# Altium PCB LH_Traffic_Light(XP)_V2.2_20171103-1500pm.PcbDoc (part 2 of 3)
Units mm, origin at the board's own origin, x right, y up, seen from the top; angles counter-clockwise.
Board outline 163.3 x 131.3 mm, 2 copper layers (Top Layer, Bottom Layer); 208 components, 201 nets, 813 pads, 826 vias.
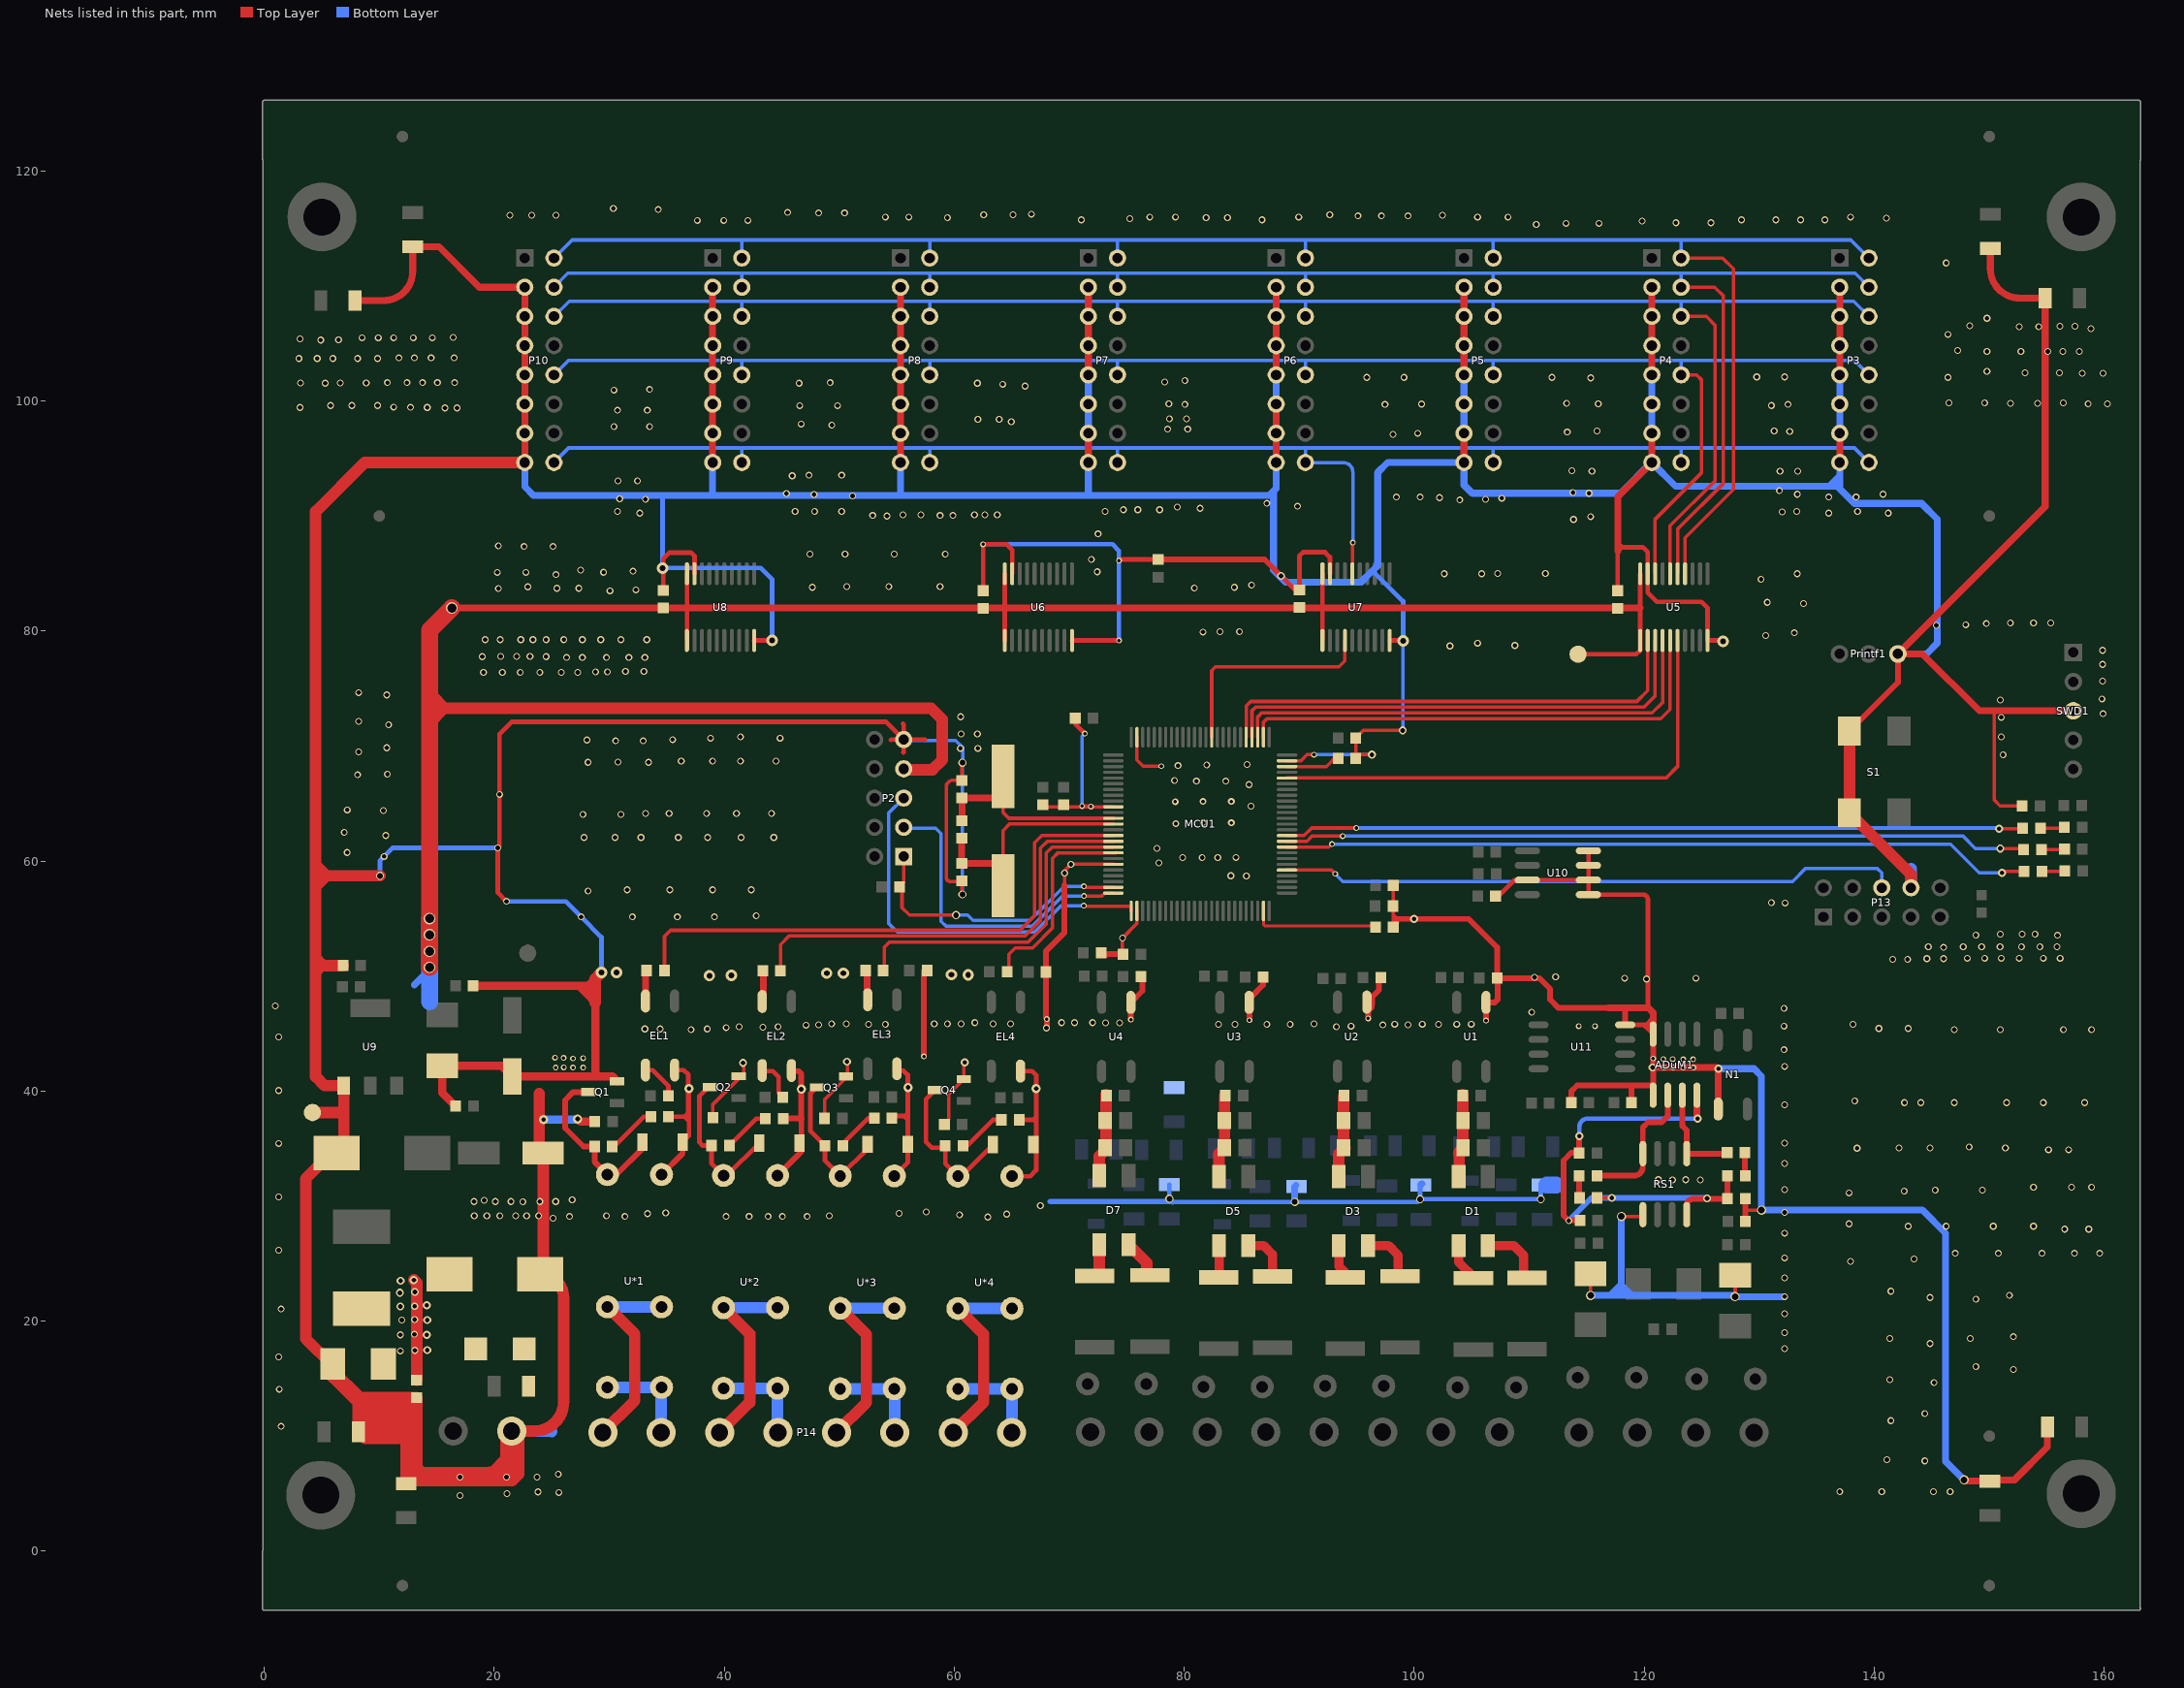
[diagram p2: the nets of this part, all layers, seen from the top]

## Via types
v1: diameter 0.6, hole 0.4, Top Layer to Bottom Layer, 590 vias
v2: diameter 0.5, hole 0.3, Top Layer to Bottom Layer, 84 vias
v3: diameter 0.7, hole 0.4, Top Layer to Bottom Layer, 42 vias
v4: diameter 0.8, hole 0.6, Top Layer to Bottom Layer, 39 vias
v5: diameter 0.8, hole 0.4, Top Layer to Bottom Layer, 24 vias
v6: diameter 0.6, hole 0.3, Top Layer to Bottom Layer, 22 vias
v7: diameter 1, hole 0.5, Top Layer to Bottom Layer, 12 vias
v8: diameter 0.7, hole 0.5, Top Layer to Bottom Layer, 8 vias
v9: diameter 1, hole 0.8, Top Layer to Bottom Layer, 5 vias

## Nets (pads, with @x,y where several pads share a name; then routed paths per layer and width w, separated by ;. In a path a pad name is that pad's centre, name@x,y a point inside that pad or via, vN(x,y) a via of type N, cw(c..) or ccw(c..) an arc to the next point about the centre after c; other vN are vias at no path point) (continued)
GND: ADuM1.4 ADuM1.5 BR1.1 C4.2 C5.2 C11.2 C15.2 C17.1 C18.1 C19.1 C20.1 C21.2 C22.1 C23.2 C24.2 C25.2 C26.1 C27.2 C28.1 C29.1 C30.2 C31.1 C32.2 C33.2 C34.1 C35.2 C36.2 C37.2 C38.2 C39.2 C40.2 C41.2 C42.2 C43.2 C44.2 C45.2 D10.1 D11.1 EC1.2 EC2.2 EC3.2 EC4.2 ER1.2 ER2.2 ER3.2 ER4.2 LED1.K MCU1.10 MCU1.20 MCU1.27 MCU1.74 MCU1.99 N1.3 P2.9 P3.3 P3.5 P3.7 P3.9 P3.11 P3.13 P3.15 P4.3 P4.5 P4.7 P4.9 P4.11 P4.13 P4.15 P5.3 P5.5 P5.7 P5.9 P5.11 P5.13 P5.15 P6.3 P6.5 P6.7 P6.9 P6.11 P6.13 P6.15 P7.3 P7.5 P7.7 P7.9 P7.11 P7.13 P7.15 P8.3 P8.5 P8.7 P8.9 P8.11 P8.13 P8.15 P9.3 P9.5 P9.7 P9.9 P9.11 P9.13 P9.15 P10.3 P10.5 P10.7 P10.9 P10.11 P10.13 P10.15 P11.2 P13.8 Printf1.1 Q1.2 Q2.2 Q3.2 Q4.2 R5.1 R14.1 R21.1 R28.1 R35.1 R41.1 R51.2 R55.2 R59.2 R63.2 RS1.5 S1.2 S1.3 SWD1.3 T-GND1.1 TVS1.2 TVS3.1 U1.3 U2.3 U3.3 U4.3 U5.10 U5.19 U6.10 U6.19 U7.10 U7.19 U8.10 U8.19 U9.1 U10.1 U10.2 U10.3 U10.4 U10.7 U11.4 | length 1310.4
  Top Layer w0.3: R55.2@39.006,37.678 39.006,38.848 41.244,41.087 Q2.2@41.244,41.295 ; Q2.2@41.676,41.117 v3@41.676,42.397 ; R59.2@48.724,37.337 48.724,39.275 50.718,41.269 v3@50.718,42.498 ; R63.2@59.036,37.068 59.501,37.533 59.501,39.714 Q4.2@60.828,41.041 v3@60.828,42.433 ; v8@60.67,68.52 C33.2@60.67,67.023 59.873,67.023 ccw(c59.873,66.45) 59.3,66.45 59.3,58.57 ccw(c59.65,58.57) 59.65,58.22 60.621,58.22 ccw(c60.621,58.269) C32.2@60.67,58.269 60.67,57.128 v8(60.7,57.098) ; C38.2@67.655,64.72 v2@71.871,64.72 ; 69.585,57.896 69.585,59.166 v1(70.139,59.72) MCU1.20@73.83,59.72 ; v2(71.109,64.779) 71.812,64.779 v2@71.871,64.72 ; MCU1.10@73.83,64.72 v2@71.871,64.72 ; BR1.1@74.624,51.902 v1(74.624,53.31) 75.88,54.566 MCU1.27@75.88,55.67 ; MCU1.99@75.88,70.77 75.88,68.799 76.43,68.25 v2(78,68.25) ; v6@84.017,63.255 v6(84.089,63.327) ; MCU1.74@88.93,68.72 90.137,68.72 90.667,69.25 v2(91.277,69.25) ; v3(96.31,69.25) 94.917,69.25 C35.2@94.917,70.698 95.577,71.358 v3(98.996,71.358) ; 98.168,55.35 98.168,55.34 ; C36.2@98.168,57.896 98.168,55.34 ; 98.321,54.975 98.533,54.975 ; v4(115.331,22.234) TVS3.1@115.331,24.114 ; v4(118,29.1) 119.719,29.1 RS1.5@119.877,29.258 ; v4(127.904,22.133) TVS1.2@127.904,23.987 ; 128.775,29.65 v4(130.192,29.65) ; 150.613,73.063 150.45,72.9 150.45,65.3 150.942,64.808 C31.1@152.857,64.808 ; C44.2@98.168,54.256 98.533,54.621 98.533,54.975 ; C44.2@98.168,54.256 98.168,54.61 98.533,54.975 ; C44.2@98.168,54.256 98.168,55.34 ; 98.168,55.34 98.533,54.975
  Top Layer w0.4: v1(21.05,56.5) 20.3,57.25 v1(20.3,61.15) 20.45,61.3 v1(20.45,65.8) 20.45,71.05 21.5,72.1 54.06,72.1 P2.9@55.6,70.56 ; C19.1@34.686,83.533 34.686,86.293 35.219,86.827 37.099,86.827 37.4,86.525 U8.19@37.4,84.983 ; U8.10@42.6,79.183 v7@44.158,79.183 ; 54.48,70.52 54.52,70.56 P2.9@55.6,70.56 ; 55.526,71.95 55.6,71.876 P2.9@55.6,70.56 ; 55.58,69.459 55.6,69.48 P2.9@55.6,70.56 ; 57.45,70.55 57.44,70.56 P2.9@55.6,70.56 ; C17.1@62.499,83.507 v2(62.499,87.55) 64.55,87.55 65.031,87.069 U6.19@65.031,84.983 ; U6.10@70.231,79.183 v2(74.317,79.183) ; C37.2@70.517,72.415 70.517,71.923 v2(71.352,71.088) ; v2(74.317,86.133) 74.409,86.225 R41.1@77.713,86.225 ; v6@79.186,65.186 v6(79.212,65.16) ; v3(88.407,84.795) 89.618,83.583 C20.1@90.007,83.583 90.007,86.522 90.337,86.852 92.242,86.852 92.663,86.431 U7.19@92.663,84.983 ; C5.2@96.924,49.743 C5.2@96.949,49.717 ; U7.10@97.863,79.183 v7@98.996,79.183 ; C30.2@107.062,56.962 107.334,56.962 108.723,58.351 U10.7@109.836,58.351 U10.2@115.144,58.351 ; U10.4@115.144,60.891 U10.3@115.144,59.621 U10.2@115.144,58.351 ; C18.1@117.693,83.507 117.693,86.928 118.048,87.284 ; 117.693,87.648 117.693,87.639 118.048,87.284 ; U11.4@118.337,45.755 119.966,45.755 ; 120.363,47.225 120.309,47.279 120.309,56.672 ccw(c119.9,56.672) 119.9,57.081 U10.1@115.144,57.081 U10.2@115.144,58.351 ; 120.411,45.882 120.411,45.31 ; ADuM1.5@120.766,39.646 ADuM1.5@120.766,40.726 ; ADuM1.4@120.766,44.954 120.411,45.31 ; 120.766,46.364 120.157,45.755 119.966,45.755 ; v7(126.837,79.105) 126.759,79.183 U5.10@125.495,79.183 125.495,82.022 124.983,82.534 121.096,82.534 120.295,83.336 U5.19@120.295,84.983 120.295,86.866 119.877,87.284 118.048,87.284 ; 119.966,45.755 120.411,45.31
  Top Layer w0.5: v2(57.35,43.012) C39.2@57.35,50.428 ; v2@67.952,46.347 67.952,52.148 69.585,53.781 69.585,57.896 ; v1(68.01,45.491) 68.036,45.517 v2(68.036,46.263) ; C43.2@72.836,51.876 73.302,51.876 73.327,51.902 BR1.1@74.538,51.902 ; BR1.1@74.538,51.69 BR1.1@74.538,51.902 ; BR1.1@74.683,51.902 BR1.1@74.538,51.902 ; v2(75.351,46.212) U4.3@75.351,47.713 ; U4.3@75.351,47.27 U4.3@75.351,47.713 ; 75.799,48.162 U4.3@75.351,47.713 ; C15.2@76.35,49.692 76.35,48.712 U4.3@75.351,47.713 ; R41.1@77.713,86.225 86.976,86.225 v3(88.407,84.795) ; U3.3@85.638,47.313 U3.3@85.638,47.713 85.663,47.688 v2(85.663,46.161) ; U3.3@85.905,48.282 86.84,49.217 C11.2@86.84,49.717 ; U2.3@95.874,47.739 96.33,48.195 ; v2(95.993,46.314) 95.993,46.968 96.305,47.28 96.305,47.557 96.33,47.582 96.33,48.195 ; C5.2@96.924,49.743 96.924,48.788 96.33,48.195 ; 98.533,54.975 v3(99.989,54.975) 104.725,54.975 107.195,52.505 C4.2@107.195,49.824 110.876,49.824 111.8,48.9 111.8,47.964 112.539,47.225 116.883,47.225 ; v2(106.237,46.136) U1.3@106.237,47.713 107.002,47.713 107.236,47.947 C4.2@107.236,49.641 ; C34.1@113.646,38.998 113.646,39.981 114.162,40.497 120.538,40.497 120.766,40.726 120.766,42.046 v2(120.766,42.834) ADuM1.4@120.766,44.954 ; U11.4@118.337,45.755 118.337,47.1 ; C29.1@118.895,38.998 118.895,40.48 ; R35.1@128.801,28.686 cw(c128.801,28.711) 128.775,28.711 128.775,29.65 C28.1@128.775,30.642 ; S1.2@137.841,71.306 142.051,75.516 Printf1.1@142.051,78.013 ; C28.1@128.775,30.642 cw(c128.801,30.642) 128.801,30.667 ccw(c128.801,30.642) C28.1@128.775,30.642
  Top Layer w0.6: D10.1@5.933,15.7 D10.1@5.933,16.139 ; EC4.2@7.89,108.737 10.36,108.737 ccw(c10.36,111.277) 12.9,111.277 ER4.2@12.9,113.41 15.19,113.41 18.704,109.896 P10.3@22.646,109.896 P10.5@22.646,107.356 P10.7@22.646,104.816 P10.9@22.646,102.276 P10.11@22.646,99.736 P10.13@22.646,97.196 P10.15@22.646,94.656 ; P9.15@38.982,94.656 P9.3@38.982,109.896 ; P8.15@55.318,94.656 P8.3@55.318,109.896 ; P7.15@71.653,94.656 P7.13@71.653,97.196 ; P7.9@71.653,102.276 P7.3@71.653,109.896 ; P6.15@87.989,94.656 P6.11@87.989,99.736 ; P6.9@87.989,102.276 P6.3@87.989,109.896 ; P5.15@104.325,94.656 P5.13@104.325,97.196 ; P5.9@104.325,102.276 P5.3@104.325,109.896 ; 116.883,47.225 120.363,47.225 120.766,46.821 120.766,46.364 ADuM1.4@120.766,44.954 ; 117.693,86.928 117.693,87.639 117.693,91.688 P4.15@120.661,94.656 P4.13@120.661,97.196 ; P4.9@120.661,102.276 P4.3@120.661,109.896 ; v3@120.766,42.046 v2(121.706,42.046) v2(122.519,42.046) v2(123.382,42.046) v2(124.271,42.046) 126.306,42.046 126.43,41.922 N1.3@126.43,38.437 ; P3.15@136.997,94.656 P3.13@136.997,97.196 ; P3.9@136.997,102.276 P3.3@136.997,109.896 ; v4(147.8,6.2) 147.91,6.09 ER2.2@150.05,6.09 ; ER2.2@150.05,6.2 152.2,6.2 155.06,9.06 EC2.2@155.06,10.8 ; ER3.2@150.1,113.26 150.1,111.49 ccw(c152.64,111.49) 152.64,108.95 EC3.2@154.86,108.95 154.86,90.821 Printf1.1@142.051,78.013 144.187,78.013 149.137,73.063 SWD1.3@157.31,73.063
  Top Layer w0.7: C21.2@6.288,34.63 C21.2@6.909,35.251 ; C22.1@16.644,38.694 15.469,39.868 D11.1@15.469,42.199 20.631,42.199 C25.2@21.554,41.276 28.778,41.276 ; C26.1@18.158,49.158 27.334,49.158 ; v5(27.243,37.576) 27.472,37.347 R51.2@28.734,37.347 ; 28.778,49.778 28.158,49.158 ; Q1.2@30.678,40.863 30.265,41.276 28.778,41.276 ; 27.334,49.158 28.037,48.455 ; 27.334,49.158 28.158,49.158 ; 28.037,48.455 28.083,48.455 28.778,49.15 28.769,49.158 28.158,49.158 ; 28.037,48.455 28.778,47.714 28.778,41.276
  Top Layer w1: T-GND1.1@4.18,38.137 6.805,38.137 6.909,38.033 ; D10.1@5.933,16.291 5.933,16.139 3.596,18.475 3.596,32.362 5.864,34.63 C21.2@6.288,34.63 ; LED1.K@6.839,50.911 4.993,50.911 ; C21.2@6.909,35.251 6.909,38.033 ; 8.49,13.143 8.368,13.265 ; v8(10.05,58.72) 5.386,58.72 ; 12.293,11.48 8.167,11.48 ; 12.809,10.389 12.324,10.389 ; P10.15@22.646,94.656 8.728,94.656 4.46,90.388 4.46,59.572 ; 23.9,39.8 23.9,34.95 ccw(c24.246,34.95) C23.2@24.246,34.604 24.246,24.317 cw(c23.992,24.317) C24.2@23.992,24.063 cw(c23.992,22.031) 26.024,22.031 26.024,12.989 cw(c23.484,12.989) 23.484,10.449 P11.2@22.1,10.449 ; 28.778,47.714 28.778,49.15 28.778,49.778 v7(29.314,50.314) ; S1.3@137.841,63.909 S1.3@137.841,64.194 ; S1.2@137.841,71.306 S1.3@137.841,64.194 ; P13.8@143.194,57.683 143.194,58.841 S1.3@137.841,64.194 ; 4.46,50.378 4.993,50.911 ; 4.46,50.378 4.46,41.259 5.244,40.475 U9.1@6.909,40.475 6.909,38.033 ; 4.46,50.378 4.46,51.55 ; 4.46,51.55 4.993,51.017 4.993,50.911 ; 4.46,51.55 4.46,57.794 ; 4.46,57.794 5.386,58.72 ; 4.46,57.794 4.46,59.572 ; 4.46,59.572 4.533,59.572 5.386,58.72 ; ER1.2@8.167,10.389 8.167,11.48 ; ER1.2@8.167,10.389 8.479,10.7 12.324,10.7 ; ER1.2@8.167,10.389 12.324,10.389 ; ER1.2@8.167,10.389 8.756,9.8 12.324,9.8 ; 8.167,11.48 8.167,12 ; 8.167,12 11.912,12 12.324,12.413 ; 8.167,12 8.167,12.896 ; 8.167,12.896 cw(c8.608,12.896) 8.368,13.265 ; 8.167,12.896 8.304,12.759 12.324,12.759 ; 8.167,12.896 5.933,15.131 5.933,15.7 8.368,13.265 ; 8.368,13.265 cw(c8.608,12.896) 8.608,13.336 12.6,13.336 ; EC1.2@12.324,5.884 cw(c12.59,5.884) EC1.2@12.59,6.15 ; EC1.2@12.324,5.884 EC1.2@12.59,6.15 ; EC1.2@12.324,5.884 12.324,9.8 ; 12.324,9.8 13.248,9.8 ; 12.324,9.8 12.324,10.389 ; 12.324,10.389 12.324,10.7 ; 12.324,10.7 13.248,10.7 ; 12.324,10.7 12.324,12.413 ; 12.324,12.413 12.324,12.759 ; 12.324,12.413 12.671,12.759 ; 12.324,12.759 12.671,12.759 ; 12.324,12.759 12.324,13.061 12.6,13.336 ; EC1.2@12.59,6.15 13.248,6.808 ; EC1.2@12.59,6.15 14.398,6.15 ; 12.6,13.336 C27.2@13.248,13.336 ; 12.671,12.759 C27.2@13.248,13.336 ; 13.248,6.808 13.248,7.3 ; 13.248,6.808 13.74,6.808 ; 13.248,7.3 13.74,6.808 ; 13.248,7.3 13.248,9.8 ; 13.248,9.8 13.248,10.7 ; 13.248,10.7 C27.2@13.248,13.336 ; 13.74,6.808 19.558,6.808 ; 13.74,6.808 14.398,6.15 ; 14.398,6.15 18.9,6.15 ; 18.9,6.15 19.558,6.808 ; 18.9,6.15 20.45,6.15 ; 19.558,6.808 19.792,6.808 20.45,6.15 ; 19.558,6.808 19.6,6.85 19.853,6.85 21,7.997 ; 20.45,6.15 21.56,6.15 22.1,6.69 22.1,8.8 ; 20.45,6.15 21.503,7.203 21.503,8.203 ; 21,7.997 21.503,8.5 ; 21,7.997 21,7.7 21.503,8.203 ; 21,7.997 21,9.946 P11.2@21.503,10.449 ; 21.503,8.203 22.1,8.8 ; 21.503,8.203 21.503,8.5 ; 21.503,8.5 P11.2@21.503,10.449 ; P11.2@21.503,10.449 P11.2@22.1,10.449 ; 22.1,8.8 P11.2@22.1,10.449
  Bottom Layer w0.3: 54.52,70.56 P2.9@55.6,70.56 ; 55.526,71.95 55.6,71.876 P2.9@55.6,70.56 ; 55.58,69.459 55.6,69.48 P2.9@55.6,70.485 ; v8@60.565,68.685 60.754,68.874 60.754,69.846 60.115,70.485 P2.9@55.6,70.485 ; v8(60.7,57.098) v8(60.7,68.55) ; v2(71.352,71.088) 71.109,70.845 v2(71.109,64.779) 71.144,64.745 v2(71.871,64.745) ; v2(91.277,69.25) v3(96.31,69.25) ; v3(98.996,71.358) 99.024,71.385 v7(99.024,79.156) ; R5.1@111.114,31.827 R5.1@111.525,31.827 ; v4(115.331,22.234) v4@115.432,22.133 ; P2.9@55.6,70.485 P2.9@55.6,70.56
  Bottom Layer w0.4: v8(10.05,58.72) 10.05,60.041 v1(10.409,60.4) 11.159,61.15 v1(20.3,61.15) ; v1(21.05,56.5) 26.2,56.5 v1(27.55,55.15) 29.314,53.386 v7(29.314,50.314) ; 34.625,91.662 v7(34.625,85.48) 43.169,85.48 44.16,84.49 v7(44.16,79.181) ; v2(62.499,87.55) 73.75,87.55 74.317,86.983 v2(74.317,86.133) v2(74.317,79.183) ; R28.1@78.704,31.878 78.704,30.646 78.949,30.4 78.987,30.362 v8(89.6,30.362) 100.262,30.362 v8(100.5,30.6) ; 96.376,85.245 99.024,82.597 v7(99.024,79.156) ; v3@99.862,54.848 v3(99.989,54.975) ; R14.1@100.5,31.754 v8(100.5,30.6) ; R5.1@111,31.713 v8(111,30.6) v8(100.5,30.6)
  Bottom Layer w0.5: 68.333,30.4 78.949,30.4 cw(c78.949,30.362) 78.987,30.362
  Bottom Layer w0.6: P10.15@22.646,94.656 22.646,92.542 23.383,91.805 39.029,91.805 ; P9.15@38.982,94.656 38.982,91.852 39.029,91.805 ; 55.318,91.812 P8.15@55.318,94.656 ; 71.653,91.947 P7.15@71.653,94.656 ; P7.13@71.653,97.196 P7.9@71.653,102.276 ; P6.15@87.989,94.656 87.989,92.404 87.759,92.173 ; P6.11@87.989,99.736 P6.9@87.989,102.276 ; v8(89.6,30.362) 89.6,31.675 R21.1@89.727,31.802 ; R14.1@100.573,31.878 R14.1@100.649,31.954 ; P5.13@104.325,97.196 P5.9@104.325,102.276 ; v4(115.331,22.234) 117.034,22.234 ; 118,22.334 118,22.717 ; v4(118,29.1) 118,23.2 ; 118.567,22.567 118.417,22.717 ; P4.13@120.661,97.196 P4.9@120.661,102.276 ; v3(126.453,41.945) 129.555,41.945 130.192,41.308 v4(130.192,29.65) 144.189,29.65 146.2,27.639 146.2,7.8 v4(147.8,6.2) ; v4@127.802,22.234 118.9,22.234 ; v4(127.904,22.133) v1(132.2,22.133) ; P3.15@136.997,94.656 136.997,93.507 ; P3.13@136.997,97.196 P3.9@136.997,102.276 ; Printf1.1@142.051,78.013 144.541,78.013 145.48,78.953 145.48,89.73 144.117,91.094 138.267,91.094 136.997,92.364 ; 39.029,91.805 87.391,91.805 87.759,92.173 ; 87.759,92.173 87.759,85.315 88.813,84.261 95.392,84.261 96.376,85.245 96.814,85.684 96.814,93.786 97.684,94.656 P5.15@104.325,94.656 104.325,92.701 105.044,91.983 117.947,91.983 120.641,94.677 122.725,92.592 136.082,92.592 ; 117.034,22.234 118.9,22.234 ; 117.034,22.234 117.517,22.717 ; 117.517,22.717 118,22.717 ; 117.517,22.717 118,23.2 ; 118,22.717 118.417,22.717 ; 118,22.717 118,23.134 ; 118,23.134 118,23.2 ; 118,23.134 118.417,22.717 ; 118.417,22.717 118.9,22.234 ; 136.082,92.592 136.768,92.592 136.997,92.364 ; 136.082,92.592 136.997,93.507 ; 136.997,92.364 136.997,93.507
  Bottom Layer w0.7: v5(24.274,37.525) v5@27.193,37.525
  Bottom Layer w1: 21.4,8.1 21.503,8.203 P11.2@21.503,10.449 24.951,10.449 25,10.4 ; P13.8@143.194,57.683 143.194,59.35
  Bottom Layer w1.5: R5.1@111.525,31.827 112.323,31.827
  other v1: 17.009,4.829 21.1,5 25.6,5.1 23.8,5.15 136.997,5.183 140.654,5.183 145.15,5.183 146.6,5.183 17.009,6.429 21.05,6.429 23.7,6.429 25.55,6.69 144.4,7.85 141.1,7.95 1.45,10.85 141.45,11.35 144.4,11.95 1.3,14.081 145.2,14.65 141.35,14.9 152.1,15.8 148.84,16.05 1.25,16.9 132.2,17.61 144.85,18.05 141.35,18.5 148.35,18.5 152.1,18.65 132.2,19 132.2,20.65 1.45,21.05 148.84,21.9 144.85,22.05 151.75,22.25 141.45,22.6 132.2,23.76 137.941,25.2 143.45,25.4 132.2,25.5 147.05,25.9 150.8,25.9 154.578,25.9 157.4,25.9 159.6,25.9 1.25,26.171 132.2,27.65 156.55,28 158.65,28 142.95,28.25 146.25,28.25 150.35,28.25 153.85,28.25 137.8,28.46 25.1,28.95 62.9,29.05 26.524,29.1 31.35,29.1 40.15,29.1 42.15,29.1 43.8,29.1 45.05,29.1 47.2,29.1 18.25,29.15 19.35,29.15 20.478,29.15 21.85,29.15 22.8,29.15 23.85,29.15 29.75,29.15 49.119,29.15 60.45,29.25 64.55,29.3 33.317,29.35 55.187,29.368 34.899,29.4 132.2,29.45 57.55,29.5 67.485,30.05 18.222,30.4 20.088,30.4 21.45,30.4 22.478,30.383 23.95,30.4 25.335,30.4 19.123,30.5 26.771,30.55 1.25,30.8 137.8,31.15 142.6,31.3 145.3,31.4 149.4,31.4 132.2,31.432 153.85,31.65 157.15,31.65 158.9,31.65 122.45,32.272 124.866,32.272 121.228,32.3 123.6,32.3 132.2,33.7 155.15,34.9 156.9,34.9 138.5,35.036 142.15,35.05 144.85,35.05 151.4,35.05 148.25,35.15 1.25,35.45 132.2,35.472 132.2,38.8 142.625,39 144.05,39 146.95,39 151.513,39 154.7,39 158.3,39 138.3,39.141 1.25,40.05 132.2,42.15 132.15,43.6 1.25,44.7 37.1,45.35 146.95,45.35 150.95,45.35 156.45,45.35 158.9,45.35 33.085,45.4 34.425,45.4 38.516,45.4 140.4,45.45 142.95,45.45 40.159,45.526 43.35,45.55 41.292,45.6 44.669,45.6 93.226,45.6 94.496,45.65 132.15,45.65 47.1,45.732 48.2,45.755 97.256,45.75 99.45,45.755 52.55,45.8 54,45.8 82.978,45.8 84.4,45.8 87.173,45.8 89.2,45.8 102.1,45.8 138.15,45.8 98.296,45.82 100.7,45.82 103.686,45.82 104.957,45.82 49.324,45.85 50.6,45.85 58.25,45.85 59.4,45.85 60.6,45.85 63.365,45.85 64.9,45.85 91.266,45.85 73.15,45.933 74.38,45.933 61.784,45.95 69.332,45.95 70.45,45.95 72.029,45.95 110.217,46.85 132.15,47.2 0.95,47.4 120.2,49.75 118.3,49.824 124.5,49.824 110.448,49.9 112.287,49.932 141.6,51.45 142.894,51.45 144.574,51.513 146.035,51.513 148.091,51.55 149.6,51.55 151.054,51.55 152.6,51.55 154.7,51.55 156.17,51.55 146.035,52.494 144.699,52.55 147.737,52.55 149.334,52.55 150.942,52.55 152.8,52.55 154.4,52.55 155.9,52.55 148.84,53.564 155.938,53.55 150.95,53.65 152.85,53.65 153.979,53.65 32,55.15 35.91,55.15 39.137,55.15 42.777,55.25 132.25,56.358 131.05,56.375 28.15,57.4 31.55,57.5 35.25,57.5 38.982,57.5 42.35,57.5 85.399,58.699 84.05,58.723 69.585,58.95 77.78,59.834 79.85,60.3 81.551,60.3 82.914,60.3 84.5,60.317 7.2,60.75 77.611,61.1 27.8,62.05 30.5,62.05 32.75,62.05 36,62.05 38.55,62.05 41.45,62.05 44.3,62.05 10.55,62.22 6.95,62.5 27.7,64.05 31,64.05 33.15,64.15 35.2,64.15 38.45,64.15 41.05,64.15 44.1,64.15 10.35,64.4 7.209,64.45 85.8,64.779 85.638,66.65 81.05,66.95 83.6,66.95 79.15,67 8.1,67.5 10.7,67.55 79.45,68.3 81.95,68.35 85.45,68.4 28.15,68.589 30.75,68.6 33.4,68.589 36.25,68.7 38.982,68.7 41.4,68.7 44.5,68.7 151.2,69.25 8.2,69.5 60.528,69.8 62.05,69.8 10.65,69.85 30.55,70.45 32.95,70.45 28.05,70.523 35.5,70.56 38.8,70.687 44.85,70.687 41.4,70.8 151.05,70.8 60.6,71.046 62,71.061 10.8,71.85 8.2,72.15 151.05,72.5 60.55,72.55 159.9,72.81 150.952,74 159.8,74.1 10.65,74.45 8.2,74.65 159.85,75.65 19.05,76.4 20.7,76.4 22.25,76.4 23.95,76.4 25.809,76.4 27.243,76.4 28.8,76.45 29.837,76.45 31.4,76.5 33,76.5 159.85,77.1 26.271,77.699 27.65,77.699 29.75,77.699 31.7,77.699 33.085,77.699 18.95,77.772 24.5,77.772 20.55,77.8 21.936,77.8 23.1,77.8 159.85,78.324 103.1,78.7 108.75,78.75 105.5,78.95 19.2,79.25 20.5,79.25 22.3,79.25 23.35,79.25 24.5,79.25 26.044,79.25 27.65,79.25 29.25,79.25 31,79.25 33.255,79.25 130.55,79.6 133.05,79.85 81.625,79.919 83.1,79.95 84.8,79.95 145.4,80.5 147.957,80.55 149.75,80.65 151.833,80.7 153.85,80.7 155.35,80.7 133.85,82.4 130.7,82.5 30.05,83.5 32.3,83.583 20.35,83.689 25.431,83.721 27.35,83.721 80.88,83.75 47.65,83.8 84.35,83.8 22.908,83.85 50.646,83.872 54.3,83.872 58.758,83.872 85.85,84 130.15,84.5 25.35,84.91 102.6,84.983 105.85,84.983 133.3,84.983 107.25,85 111.4,85 20.25,85.1 22.75,85.1 29.5,85.111 72.422,85.15 32.05,85.2 27.5,85.3 71.916,86.225 47.45,86.7 50.5,86.7 54.78,86.7 59.214,86.7 22.587,87.35 25.098,87.35 20.35,87.4 72.5,88.45 113.85,89.7 115.331,89.95 54.15,90 52.898,90.05 58.758,90.05 59.873,90.05 55.526,90.1 57.1,90.1 61.75,90.1 62.65,90.1 63.729,90.1 32.65,90.25 136.034,90.25 141.208,90.25 132,90.35 30.7,90.4 46.15,90.4 47.85,90.4 50.2,90.4 73.1,90.4 133.25,90.4 138.55,90.4 74.7,90.55 75.95,90.551 77.85,90.551 81.38,90.672 79.4,90.786 89.85,90.85 87.176,91.1 103.95,91.4 33.14,91.45 106.2,91.45 30.9,91.5 107.611,91.55 102.2,91.6 98.45,91.65 100.5,91.65 136.034,91.65 138.416,91.65 51.15,91.75 47.8,91.877 133.314,91.9 140.75,91.9 45.4,91.95 115.2,91.983 113.8,92.05 131.75,92.2 30.75,93.05 32.45,93.05 45.9,93.496 47.35,93.55 50.2,93.55 115.45,93.9 131.8,93.9 133.35,93.9 113.7,93.95 98.15,97.1 100.3,97.2 113.3,97.3 132.65,97.35 115.897,97.4 131.3,97.4 78.55,97.55 80.3,97.55 30.4,97.776 33.5,97.776 49.35,97.9 46.688,98 64.95,98.201 62.05,98.4 63.9,98.4 78.7,98.45 80.2,98.45 30.7,99.196 33.3,99.196 15.7,99.4 16.75,99.4 3.1,99.436 14.162,99.436 12.7,99.45 11.25,99.474 5.75,99.609 7.6,99.609 9.85,99.609 46.55,99.6 49.85,99.6 131.05,99.609 80.05,99.7 97.45,99.7 132.5,99.7 100.642,99.736 78.65,99.75 116,99.75 158.6,99.75 160.272,99.75 113.25,99.8 151.85,99.8 154.2,99.8 146.5,99.85 149.6,99.85 156.44,99.85 30.4,100.95 33.5,101.006 66.15,101.3 64.2,101.456 3.15,101.56 5.3,101.55 6.6,101.56 8.85,101.56 46.5,101.55 62,101.55 10.7,101.6 12.4,101.6 13.75,101.6 15.05,101.6 16.55,101.6 49.2,101.6 78.3,101.65 80.05,101.77 115.35,102.014 95.874,102.05 99.1,102.05 111.978,102.05 146.4,102.05 129.783,102.1 132.2,102.1 158.077,102.403 159.9,102.403 153.1,102.45 156.1,102.45 149.8,102.574 3,103.7 4.6,103.7 5.95,103.7 8.1,103.7 9.85,103.7 11.7,103.75 13.05,103.75 14.5,103.75 16.5,103.75 149.8,104.31 152.75,104.31 155.1,104.31 156.4,104.3 157.84,104.31 147.25,104.386 4.9,105.3 6.45,105.323 3.1,105.396 8.5,105.5 9.908,105.5 11.25,105.5 12.95,105.5 14.6,105.5 16.423,105.532 146.4,105.8 158.85,106.3 152.6,106.45 154.3,106.45 156.15,106.5 157.45,106.5 148.3,106.55 149.8,107.2 146.25,112.005 110.6,115.35 113.2,115.45 116.05,115.45 122.75,115.5 125.8,115.5 119.818,115.65 37.65,115.7 39.95,115.7 42.05,115.7 71.05,115.75 86.75,115.75 128.45,115.75 131.45,115.75 133.6,115.75 135.7,115.75 75.25,115.85 141.05,115.9 59.4,115.95 81.9,115.95 83.75,115.95 54,116 56.034,116 77,116 79.237,116 89.95,116 105.5,116 108.15,116 137.941,116 95.1,116.1 97.15,116.1 99.45,116.1 21.35,116.15 23.25,116.15 25.35,116.15 102.45,116.15 62.55,116.2 65.1,116.2 92.65,116.2 66.7,116.25 48.2,116.35 50.45,116.35 45.5,116.39 34.254,116.646 30.35,116.75
  other v2: 25.335,42.046 26.837,42.046 27.726,42.046 26.044,42.072 123.382,42.758 124.246,42.758 121.655,42.782 122.468,42.782 26.837,42.834 27.726,42.859 26.024,42.885 25.288,42.91 114.3,45.65 115.712,45.65
  other v3: 120.715,42.046 41.62,42.453 60.898,42.504 50.662,42.554
  other v6: 79.263,63.255 81.676,63.332 81.625,65.186 84.089,65.186
  other v7: 38.7,50.038 40.6,50.05 61.2,50.1 59.743,50.124 48.9,50.251 50.353,50.25 30.614,50.314
  other v8: 78.7,30.642
INTERNETRST: MCU1.55 P13.6 | length 54.1
  Top Layer w0.3: MCU1.55@88.93,59.22 92.789,59.22 v2(93.116,58.892)
  Bottom Layer w0.3: v2(93.116,58.892) 93.785,58.224 132.889,58.224 134.037,59.372 140.246,59.372 140.654,58.964 P13.6@140.654,57.683
JZC_VCC: ADuM1.8 C17.2 C18.2 C19.2 C20.2 C24.1 C27.1 C28.2 D9.2 D10.2 D17.2 D19.2 D21.2 D23.2 EL1.4 EL2.4 EL3.4 EL4.4 F1.1 L1.1 P2.7 R31.1 R32.2 R33.1 R37.2 R49.1 R53.1 R57.1 R61.1 RS1.8 T-SPEVCC.1 U5.1 U5.20 U6.1 U6.20 U7.1 U7.20 U8.1 U8.20 U*1.1 U*2.1 U*3.1 U*4.1 | length 347.2
  Top Layer w0.3: R33.1@115.897,30.718 v3(117.185,30.718)
  Top Layer w0.4: R49.1@35.151,37.779 36.54,37.779 ; EL1.4@35.68,41.832 36.468,41.832 36.87,41.43 36.87,38.109 36.54,37.779 ; D17.2@36.375,35.569 36.925,36.119 36.925,37.394 ; U8.1@36.75,79.183 36.75,82.001 U8.20@36.75,84.983 ; v5(36.925,40.218) 36.925,37.394 ; R57.1@54.582,37.83 55.657,37.83 ; U*3.1@54.777,32.623 55.962,33.808 D21.2@55.962,35.366 55.962,37.525 ; EL3.4@54.802,41.79 55.575,41.79 55.945,41.419 55.945,38.059 ; D21.2@55.945,35.459 55.945,37.542 ; U6.1@64.381,79.183 64.381,82.001 U6.20@64.381,84.983 ; U*4.1@65.013,32.598 66.598,32.598 67.121,33.121 67.121,37.752 ; R61.1@65.631,37.5 66.869,37.5 67.121,37.752 ; EL4.4@65.75,41.739 66.769,41.739 67.121,41.386 v5(67.121,40.218) 67.121,37.752 ; U7.1@92.013,79.183 92.013,82.001 U7.20@92.013,84.983 ; T-SPEVCC.1@114.238,77.987 119.293,77.987 119.645,78.339 U5.1@119.645,79.183 U5.20@119.645,84.983 ; 36.54,37.779 36.925,37.394 ; 55.657,37.83 55.717,37.83 ; 55.657,37.83 55.945,37.542 ; 55.717,37.83 55.945,37.83 ; 55.717,37.83 55.945,38.059 ; 55.945,37.542 55.962,37.525 ; 55.945,37.542 55.945,37.83 ; 55.945,37.83 55.962,37.83 55.962,37.525 ; 55.945,37.83 55.945,38.059
  Top Layer w0.5: U*1.1@34.537,32.742 36.375,34.581 D17.2@36.375,35.569 ; U*2.1@44.628,32.666 46.703,34.74 46.703,37.604 46.712,37.614 46.688,37.614 ; R53.1@45.108,37.614 46.688,37.614 ; EL2.4@45.836,41.739 46.462,41.739 46.688,41.513 v5(46.688,40.167) 46.688,37.614 ; 46.688,37.398 46.688,37.614 ; v1(113.434,28.739) v1@113.411,28.762 ; v3@114.332,36.071 R31.1@114.332,34.63 113.647,34.63 112.983,33.966 112.983,29.19 v1@113.411,28.762 ; R37.2@114.408,28.762 v1@113.411,28.762 ; RS1.8@123.687,29.258 123.687,30.029 cw(c124.3,30.029) 124.3,30.642 C28.2@127.235,30.642 R32.2@127.235,32.623
  Top Layer w0.6: v9(16.3,82.001) 36.75,82.001 64.381,82.001 92.013,82.001 119.623,82.001 ; ADuM1.8@124.576,39.646 124.576,37.665 v3(124.627,37.614)
  Top Layer w1: v3(12.994,23.581) 13.248,23.327 C27.1@13.248,14.876 ; 14.3,69.3 14.3,72.85 14.366,72.916 14.75,73.3 15.65,73.3 ; 14.366,72.016 15.65,73.3 ; 14.366,74.3 14.65,74.3 15.65,73.3 ; P2.7@55.6,67.945 58.095,67.945 58.95,68.8 58.95,72.315 57.965,73.3 15.65,73.3
  Top Layer w1.5: v9(14.366,50.763) v9(14.366,52.15) v9(14.366,53.6) v9(14.366,55) 14.366,72.016 14.366,72.916 14.366,74.3 14.366,80.066 v9(16.3,82.001)
  Bottom Layer w0.3: v3@117.159,30.743 cw(c117.159,30.718) v3(117.185,30.718) ccw(c117.159,30.718) v3@117.159,30.743 ; v3@125.414,30.718 cw(c125.414,30.667) v3(125.465,30.667) ccw(c125.414,30.667) v3@125.414,30.718
  Bottom Layer w0.4: v3(114.357,36.096) 114.357,36.887 ; 124.627,40.472 v3(124.627,37.614) 115.085,37.614 ; 114.357,36.887 cw(c115.085,36.887) 115.085,37.614 ; 114.357,36.887 cw(c115.085,36.887) 115.085,37.614
  Bottom Layer w0.5: v1(113.434,28.739) 115.412,30.718 v3(117.185,30.718) v3@125.414,30.718
  Bottom Layer w0.6: 13.045,49.239 14.366,50.56 v9(14.366,50.763)
  Bottom Layer w1.5: 14.366,47.79 v9@14.366,50.56 ; v9(14.366,50.763) v9(14.366,52.15) v9(14.366,53.6) v9(14.366,55)
  other v1: 11.826,17.408 13.096,17.459 11.826,18.805 13.045,18.856 11.953,20.101 13.07,20.126 13.07,21.295
  other v3: 14.156,17.485 14.112,18.805 14.156,20.101 11.826,21.269 14.112,21.371 11.775,22.463 13.096,22.539 11.843,23.504
  other v5: 55.971,40.319
KM1: MCU1.15 R48.2 | length 49.4
  Top Layer w0.3: R48.2@34.795,50.479 34.795,53.446 35.333,53.984 65.724,53.984 66.985,55.245 66.985,61.595 67.61,62.22 MCU1.15@73.83,62.22
KM1+: P14.1 U*1.2 | length 17.7
  Top Layer w1: P14.1@29.428,10.322 32.2,13.094 32.2,18.879 U*1.2@29.837,21.242
  Bottom Layer w1: U*1.2@29.837,21.242 U*1.2@34.537,21.242
KM1-: P14.2 U*1.3 | length 8.6
  Bottom Layer w1: U*1.3@29.837,14.242 U*1.3@34.537,14.242 34.508,14.213 P14.2@34.508,10.322
KM2: MCU1.16 R52.2 | length 38.6
  Top Layer w0.3: R52.2@44.879,50.454 44.879,52.729 45.634,53.484 66.148,53.484 67.485,54.821 67.485,61.112 68.092,61.72 MCU1.16@73.83,61.72
KM2+: P14.3 U*2.2 | length 17.6
  Top Layer w1: P14.3@39.588,10.322 42.2,12.934 42.2,18.894 U*2.2@39.928,21.166
  Bottom Layer w1: U*2.2@39.928,21.166 U*2.2@44.628,21.166
KM2-: P14.4 U*2.3 | length 8.6
  Bottom Layer w1: U*2.3@39.928,14.166 U*2.3@44.628,14.166 44.628,10.361 P14.4@44.668,10.322
KM3: MCU1.17 R56.2 | length 29.2
  Top Layer w0.3: R56.2@53.896,50.479 53.896,52.484 54.355,52.943 66.41,52.943 67.985,54.518 67.985,60.693 68.512,61.22 MCU1.17@73.83,61.22
KM3+: P14.5 U*3.2 | length 17.5
  Top Layer w1: P14.5@49.748,10.322 52.35,12.924 52.35,18.85 U*3.2@50.077,21.123
  Bottom Layer w1: U*3.2@50.077,21.123 U*3.2@54.777,21.123
KM3-: P14.6 U*3.3 | length 8.5
  Bottom Layer w1: U*3.3@50.077,14.123 U*3.3@54.777,14.123 54.828,14.072 P14.6@54.828,10.322
KM4: MCU1.18 R60.2 | length 18
  Top Layer w0.3: R60.2@64.742,50.378 64.742,51.884 65.301,52.443 66.799,52.443 68.544,54.188 68.544,60.242 69.022,60.72 MCU1.18@73.83,60.72 74.038,60.72 MCU1.18@74.048,60.73
KM4+: P14.7 U*4.2 | length 17.5
  Top Layer w1: P14.7@59.908,10.322 62.55,12.964 62.55,18.861 U*4.2@60.313,21.098
  Bottom Layer w1: U*4.2@60.313,21.098 U*4.2@65.013,21.098
KM4-: P14.8 U*4.3 | length 8.5
  Bottom Layer w1: U*4.3@60.313,14.098 U*4.3@65.013,14.098 65.013,10.347 P14.8@64.988,10.322
KT603_TEST: MCU1.24 P2.1 R29.2 | length 24.9
  Top Layer w0.3: R29.2@55.233,57.758 R29.2@55.448,57.973 ; P2.1@55.6,60.4 55.6,58.125 R29.2@55.448,57.973 ; v8(60.15,55.3) 56.1,55.3 55.448,55.952 R29.2@55.448,57.973 ; v2(71.262,57.81) 71.352,57.72 MCU1.24@73.83,57.72
  Bottom Layer w0.3: v8(60.15,55.3) 61.15,55.3 61.611,54.839 66.579,54.839 69.55,57.81 v2(71.262,57.81)
LAT: P3.10 P4.10 P5.10 P6.10 P7.10 P8.10 P9.10 P10.10 U5.18 | length 143.1
  Top Layer w0.3: U5.18@120.945,84.983 120.945,89.723 124.957,93.735 124.957,101.863 124.544,102.276 P4.10@123.201,102.276
  Bottom Layer w0.3: P10.10@25.186,102.276 26.45,103.54 138.273,103.54 P3.10@139.537,102.276 ; P9.10@41.522,102.276 41.522,103.409 ; P8.10@57.858,102.276 57.858,103.482 ; P7.10@74.193,102.276 74.193,103.5 ; P6.10@90.529,102.276 90.529,103.5 ; P5.10@106.865,102.276 106.865,103.522 ; P4.10@123.201,102.276 123.201,103.493
LED1: D14.K MCU1.61 | length 64.2
  Top Layer w0.3: MCU1.61@88.93,62.22 90.419,62.22 91.074,62.874 v2(94.96,62.874) ; v3(150.858,62.817) 152.876,62.817 D14.K@152.904,62.845
  Bottom Layer w0.3: v2(94.96,62.874) v3@150.801,62.874
LED1_1: D14.A R38.2 | length 2
  Top Layer w0.3: D14.A@154.444,62.845 R38.2@156.429,62.845
LED2: D15.K MCU1.60 | length 64.7
  Top Layer w0.3: MCU1.60@88.93,61.72 90.652,61.72 91.096,62.163 v2(93.766,62.163) ; v3(150.952,61.097) 152.881,61.097 D15.K@152.987,60.991
  Bottom Layer w0.3: v2(93.766,62.163) 147.737,62.163 148.803,61.097 v3(150.952,61.097)
LED2_1: D15.A R39.2 | length 2
  Top Layer w0.3: D15.A@154.527,60.991 R39.2@156.489,60.991
LED3: D16.K MCU1.59 | length 65.3
  Top Layer w0.3: MCU1.59@88.93,61.22 92.569,61.22 92.839,61.49 v2(92.852,61.477) ; v3(151.112,58.982) 151.242,59.112 D16.K@153.038,59.112
  Bottom Layer w0.3: v2(92.852,61.477) 146.633,61.477 149.129,58.982 v3(151.112,58.982)
LED3_1: D16.A R40.2 | length 2
  Top Layer w0.3: D16.A@154.578,59.112 R40.2@156.54,59.112
LED_A0: P3.2 P4.2 P5.2 P6.2 P7.2 P8.2 P9.2 P10.2 U5.14 | length 158.1
  Top Layer w0.3: P4.2@123.201,112.436 126.805,112.436 127.751,111.49 127.751,92.321 123.545,88.114 U5.14@123.545,84.983
  Bottom Layer w0.3: P10.2@25.186,112.436 26.754,114.005 41.522,114.005 ; P9.2@41.522,112.436 41.522,114.005 ; P8.2@57.858,112.436 57.858,113.921 ; P7.2@74.193,112.436 74.193,113.994 ; P6.2@90.529,112.436 90.529,113.99 ; P5.2@106.865,112.436 106.865,113.986 ; P4.2@123.201,112.436 123.201,113.957 ; P3.2@139.537,112.436 137.968,114.005 41.522,114.005
LED_B0: P3.4 P4.4 P5.4 P6.4 P7.4 P8.4 P9.4 P10.4 U5.15 | length 152.2
  Top Layer w0.3: U5.15@122.895,84.983 122.895,88.853 126.888,92.846 126.888,109.128 126.119,109.896 P4.4@123.201,109.896
  Bottom Layer w0.3: P10.4@25.186,109.896 26.399,111.109 138.324,111.109 P3.4@139.537,109.896 ; P9.4@41.522,109.896 41.522,111.105 ; P8.4@57.858,109.896 57.858,111.102 ; P7.4@74.193,109.896 74.193,110.967 ; P6.4@90.529,109.896 90.529,111.094 ; P5.4@106.865,109.896 106.865,111.065 ; P4.4@123.201,109.896 123.201,111.08
LED_C0: P3.6 P4.6 P5.6 P6.6 P7.6 P8.6 P9.6 P10.6 U5.16 | length 149.5
  Top Layer w0.3: U5.16@122.245,84.983 122.245,89.143 126.151,93.05 126.151,106.588 125.383,107.356 P4.6@123.201,107.356
  Bottom Layer w0.3: P10.6@25.186,107.356 26.5,108.671 138.222,108.671 P3.6@139.537,107.356 ; P9.6@41.522,107.356 41.522,108.623 ; P8.6@57.858,107.356 57.858,108.652 ; P7.6@74.193,107.356 74.193,108.634 ; P6.6@90.529,107.356 90.529,108.533 ; P5.6@106.865,107.356 106.865,108.627 ; P4.6@123.201,107.356 123.201,108.623
LED_D0: P3.16 P4.16 P5.16 P6.16 P7.16 P8.16 P9.16 P10.16 U7.16 | length 136.2
  Top Layer w0.3: U7.16@94.613,84.983 94.613,87.648 cw(c94.655,87.648) v2(94.655,87.69)
  Bottom Layer w0.3: P10.16@25.186,94.656 26.45,95.92 138.273,95.92 P3.16@139.537,94.656 ; P9.16@41.522,94.656 41.522,95.891 ; P8.16@57.858,94.656 57.858,95.825 ; P7.16@74.193,94.656 74.193,95.884 ; 90.529,95.909 P6.16@90.529,94.656 90.529,94.65 93.817,94.65 cw(c93.817,93.812) 94.655,93.812 v2(94.655,87.69) ; P5.16@106.865,94.656 106.865,95.887 ; P4.16@123.201,94.656 123.201,95.891
LEDA: MCU1.71 U5.6 | length 45.3
  Top Layer w0.3: MCU1.71@88.93,67.22 121.886,67.22 122.895,68.229 U5.6@122.895,79.183
LEDB: MCU1.77 U5.5 | length 43.1
  Top Layer w0.3: MCU1.77@86.88,70.77 86.88,72.067 87.191,72.378 121.43,72.378 122.245,73.192 U5.5@122.245,79.183
LEDC: MCU1.78 U5.4 | length 42.9
  Top Layer w0.3: MCU1.78@86.38,70.77 86.38,72.532 86.726,72.878 120.686,72.878 121.595,73.787 U5.4@121.595,79.183
LEDCLK: MCU1.79 U5.3 | length 42.7
  Top Layer w0.3: MCU1.79@85.88,70.77 85.88,71.773 85.88,73.074 86.185,73.378 119.967,73.378 120.945,74.356 U5.3@120.945,79.183
LEDD: MCU1.86 U7.4 | length 19.5
  Top Layer w0.3: MCU1.86@82.38,70.77 82.38,76.563 82.696,76.878 93.444,76.878 93.963,77.397 U7.4@93.963,79.183
LEDLAT: MCU1.80 U5.2 | length 42.5
  Top Layer w0.3: MCU1.80@85.38,70.77 85.38,73.488 85.77,73.878 119.349,73.878 120.295,74.823 U5.2@120.295,79.183
MP3_RX: MCU1.25 P2.3 | length 27.3
  Top Layer w0.3: v2(71.278,56.972) 72.836,56.972 MCU1.25@73.084,57.22 ; MCU1.25@73.127,57.22 MCU1.25@73.83,57.22
  Bottom Layer w0.3: P2.3@55.675,62.865 58.385,62.865 58.85,62.4 58.85,54.768 59.279,54.339 66.786,54.339 69.419,56.972 v2(71.278,56.972)
MP3_TX: MCU1.26 P2.5 | length 34.2
  Top Layer w0.3: v2(71.253,56.118) 71.298,56.073 75.38,56.073 MCU1.26@75.38,55.67
  Bottom Layer w0.3: P2.5@55.6,65.48 54.3,64.18 54.3,54.572 55.042,53.831 66.985,53.831 69.272,56.118 v2(71.253,56.118)
NetADuM1_6: ADuM1.6 D13.K RS1.4 | length 12.3
  Top Layer w0.5: D13.K@115.872,32.648 117.96,32.648 119.1,32.648 ccw(c119.1,33.426) 119.877,33.426 119.877,36.857 120.316,37.297 121.519,37.297 122.036,37.814 ADuM1.6@122.036,39.646
NetADuM1_7: ADuM1.7 D12.K RS1.1 | length 9.1
  Top Layer w0.5: ADuM1.7@123.306,39.646 123.306,36.966 123.687,36.585 RS1.1@123.687,34.566 ; RS1.1@123.687,34.566 ccw(c123.687,34.617) 123.738,34.617 cw(c123.687,34.617) RS1.1@123.687,34.566 ; RS1.1@123.687,34.566 D12.K@127.121,34.566 ; D12.K@127.121,34.566 ccw(c127.121,34.655) D12.K@127.21,34.655 cw(c127.121,34.655) D12.K@127.121,34.566
NetC2_1: C2.1 C3.1 D1.4 R7.2 | length 7.7
  Top Layer w1: D1.4@103.901,32.166 103.901,34.732 C3.1@104.23,35.061 C2.1@104.23,37.449 R7.2@104.23,39.683
NetC6_1: C6.1 C7.1 D3.4 R13.2 | length 7.2
  Top Layer w1: D3.4@93.436,32.575 93.436,34.528 93.969,35.061 93.842,35.188 R13.2@93.842,39.532
NetC9_1: C9.1 C10.1 D5.4 R20.2 | length 7.2
  Top Layer w1: D5.4@83.022,32.575 83.022,34.553 83.504,35.036 R20.2@83.504,39.583
NetC13_1: C13.1 C14.1 D7.4 R27.2 | length 7.4
  Top Layer w1: D7.4@72.608,32.575 72.608,34.35 73.192,34.934 R27.2@73.192,39.71
NetC32_1: C32.1 MCU1.13 R45.2 Y1.2 | length 20.4
  Top Layer w0.3: Y1.2@64.226,57.87 64.226,59.639 64.226,62.646 64.8,63.22 MCU1.13@73.83,63.22
  Top Layer w0.6: C32.1@60.644,59.834 R45.2@60.644,61.977 ; C32.1@60.67,59.809 64.056,59.809 Y1.2@64.226,59.639
NetC33_1: C33.1 MCU1.12 R45.1 Y1.1 | length 18.4
  Top Layer w0.3: Y1.1@64.226,67.37 64.226,64.228 64.734,63.72 MCU1.12@73.83,63.72
  Top Layer w0.6: R45.1@60.67,63.543 C33.1@60.67,65.483 Y1.1@64.218,65.483
NetC44_1: C44.1 MCU1.49 | length 11
  Top Layer w0.254: MCU1.49@86.88,55.67 86.88,54.469 86.987,54.362 96.525,54.362 C44.1@96.598,54.289
NetC45_1: C45.1 MCU1.73 | length 4.9
  Top Layer w0.3: MCU1.73@88.93,68.22 92.347,68.22 C45.1@93.377,69.25
NetD1_1: D1.1 R1.2 | length 3.4
  Top Layer w0.8: D1.1@103.85,26.575 103.85,25.131 R1.2@105.221,23.76
NetD1_3: D1.3 R6.2 | length 5.4
  Top Layer w0.8: D1.3@106.39,26.575 108.653,26.575 109.514,25.714 R6.2@109.514,23.76
NetD3_1: D3.1 R8.2 | length 3
  Top Layer w0.8: D3.1@93.436,26.575 93.436,24.765 R8.2@94.263,23.937
NetD3_3: D3.3 R12.2 | length 4.7
  Top Layer w0.8: D3.3@95.976,26.575 97.757,26.575 98.592,25.74 R12.2@98.592,23.963
NetD5_1: D5.1 R15.2 | length 2.9
  Top Layer w0.8: D5.1@83.022,26.575 83.022,24.217 R15.2@83.403,23.836
NetD5_3: D5.3 R19.2 | length 4.3
  Top Layer w0.8: D5.3@85.562,26.575 86.885,26.575 87.67,25.79 R19.2@87.67,23.887
NetD7_1: D7.1 R22.2 | length 2.8
  Top Layer w1: R22.2@72.405,23.937 72.608,24.141 D7.1@72.608,26.651
NetD7_3: D7.3 R26.2 | length 3.3
  Top Layer w1: D7.3@75.148,26.651 76.723,25.076 R26.2@76.723,23.963
NetD9_1: D9.1 F6.2
NetD12_A: D12.A R32.1 | length 2
  Top Layer w0.5: D12.A@128.75,34.655 128.75,32.648 ccw(c128.775,32.648) R32.1@128.775,32.623
NetD13_A: D13.A R33.2 | length 2
  Top Layer w0.5: D13.A@114.332,32.648 R33.2@114.332,30.743 ; R33.2@114.332,30.743 ccw(c114.357,30.743) R33.2@114.357,30.718 cw(c114.357,30.743) R33.2@114.332,30.743
NetD17_1: D17.1 D18.K Q1.3 U*1.4 | length 15.4
  Top Layer w0.5: Q1.3@28.178,39.913 26.852,39.913 26.151,39.212 26.151,36.789 27.751,35.188 D18.K@28.712,35.188 28.712,33.868 U*1.4@29.837,32.742 30.614,32.742 32.875,35.004 D17.1@32.875,35.569
NetD18_A: D18.A R49.2 | length 4.4
  Top Layer w0.4: D18.A@30.252,35.188 30.429,35.188 33.02,37.779 R49.2@33.611,37.779
NetD19_1: D19.1 D20.K Q2.3 U*2.4 | length 14.2
  Top Layer w0.4: Q2.3@39.176,40.345 38.597,40.345 37.835,39.583 37.835,35.544 38.115,35.265 D20.K@38.894,35.265 38.894,33.701 U*2.4@39.928,32.666 40.225,32.666 D19.1@43.027,35.468
NetD20_A: D20.A R53.2 | length 4.1
  Top Layer w0.4: D20.A@40.434,35.265 42.783,37.614 R53.2@43.568,37.614
NetD21_1: D21.1 D22.K Q3.3 U*3.4 | length 13
  Top Layer w0.4: Q3.3@48.218,40.319 47.995,40.319 47.487,39.811 47.487,36.501 D22.K@48.749,35.239 48.749,33.952 U*3.4@50.077,32.623 52.462,35.007 D21.1@52.462,35.366 D21.1@52.462,35.442
NetD22_A: D22.A R57.2 | length 3.9
  Top Layer w0.4: D22.A@50.289,35.239 50.289,35.422 52.519,37.652 R57.2@53.042,37.652
NetD23_1: D23.1 D24.K Q4.3 U*4.4 | length 14.1
  Top Layer w0.4: Q4.3@58.328,40.091 57.546,39.309 57.546,35.569 58.028,35.087 59.062,35.087 D24.K@59.214,35.239 59.214,33.698 U*4.4@60.313,32.598 U*4.4@60.622,32.598 ; U*4.4@60.672,32.598 U*4.4@60.622,32.598 ; D23.1@63.365,35.341 U*4.4@60.622,32.598
NetD24_A: D24.A R61.2 | length 4.3
  Top Layer w0.4: D24.A@60.754,35.239 61.102,35.239 63.362,37.5 R61.2@64.091,37.5
NetEL1_2: EL1.2 R48.1 | length 2.4
  Top Layer w0.6: EL1.2@33.14,47.832 R48.1@33.14,50.276
NetEL1_3: EL1.3 R50.2 | length 3.4
  Top Layer w0.4: EL1.3@33.14,41.832 33.768,41.832 35.125,40.475 R50.2@35.125,39.583
NetEL2_2: EL2.2 R52.1 | length 2.6
  Top Layer w0.6: EL2.2@43.404,47.685 R52.1@43.404,50.251
NetEL2_3: EL2.3 R54.2 | length 3.6
  Top Layer w0.4: EL2.3@43.296,41.739 44.211,41.739 44.712,41.238 44.712,39.826 R54.2@45.082,39.456
NetEL3_2: EL3.2 R56.1 | length 2.5
  Top Layer w0.6: EL3.2@52.415,47.79 R56.1@52.415,50.251